# Allegro board 6089-103-RevB_76.brd (continued)
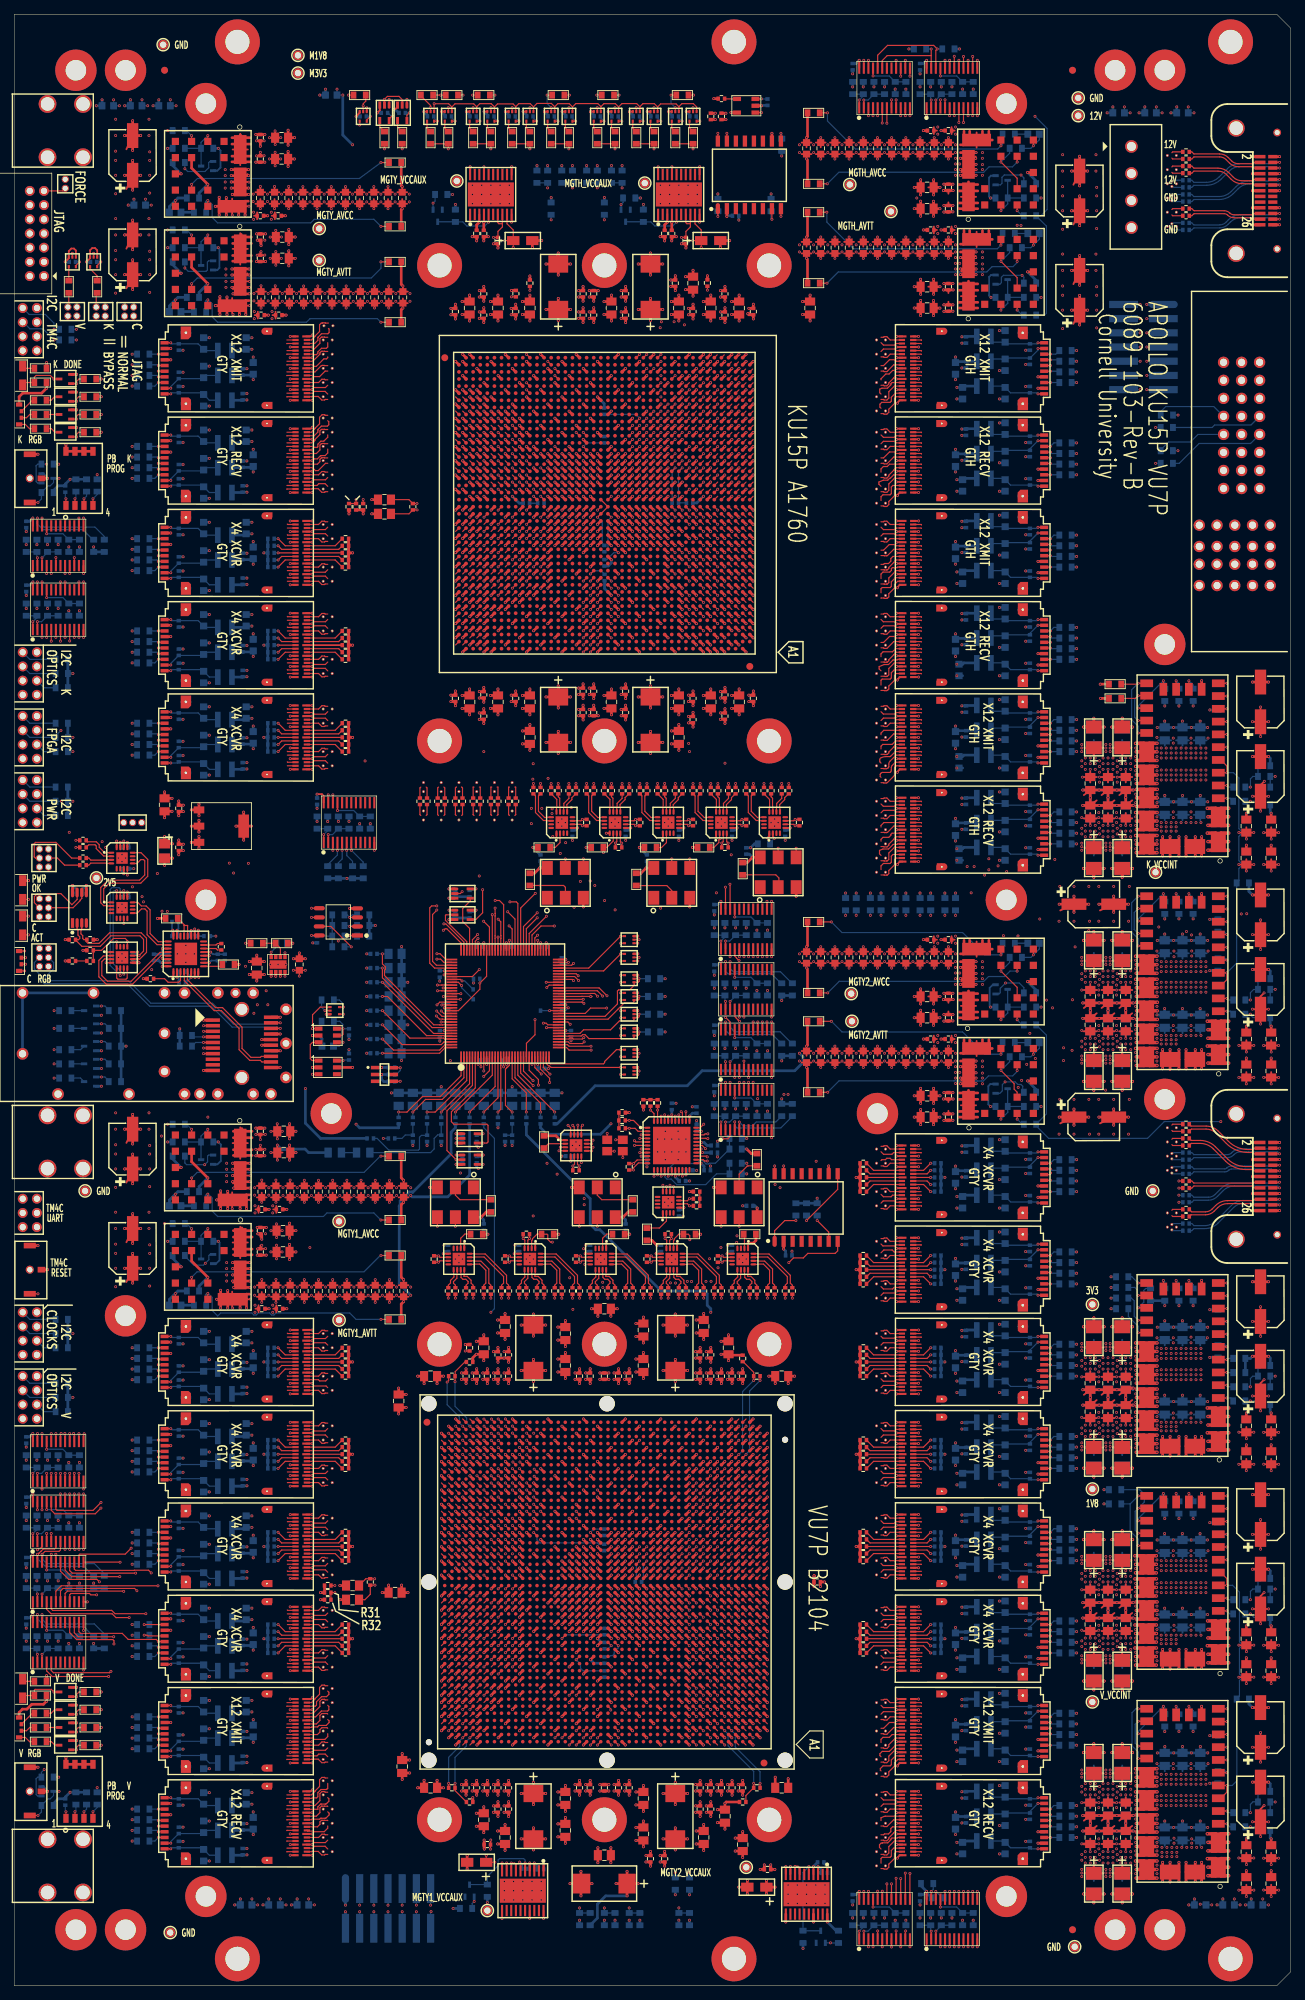
[diagram p0: board, top side]
## Footprints (pads in the part's own frame, mm; a bottom-side part is the same pattern mirrored in y, then rotated) (continued)
BA14(-9.5,-17.501) BA15(-8.509,-17.501) BA16(-7.493,-17.501) BA17(-6.502,-17.501) BA18(-5.512,-17.501) BA19(-4.496,-17.501) BA20(-3.505,-17.501) BA21(-2.489,-17.501) BA22(-1.499,-17.501) BA23(-0.508,-17.501) BA24(0.508,-17.501) BA25(1.499,-17.501) BA26(2.489,-17.501) BA27(3.505,-17.501) BA28(4.496,-17.501) BA29(5.512,-17.501) BA30(6.502,-17.501) BA31(7.493,-17.501) BA32(8.509,-17.501) BA33(9.5,-17.501) BA34(10.49,-17.501) BA35(11.506,-17.501) BA36(12.497,-17.501) BA37(13.487,-17.501) BA38(14.503,-17.501) BA39(15.494,-17.501) BA40(16.51,-17.501) BA41(17.501,-17.501) BA42(18.491,-17.501) BA43(19.507,-17.501) BA44(20.498,-17.501) BA45(21.488,-17.501) BA46(22.504,-17.501) BB1(-22.504,-18.491) BB2(-21.488,-18.491) BB3(-20.498,-18.491) BB4(-19.507,-18.491) BB5(-18.491,-18.491) BB6(-17.501,-18.491) BB7(-16.51,-18.491) BB8(-15.494,-18.491) BB9(-14.503,-18.491) BB10(-13.487,-18.491) BB11(-12.497,-18.491) BB12(-11.506,-18.491) BB13(-10.49,-18.491) BB14(-9.5,-18.491) BB15(-8.509,-18.491) BB16(-7.493,-18.491) BB17(-6.502,-18.491) BB18(-5.512,-18.491) BB19(-4.496,-18.491) BB20(-3.505,-18.491) BB21(-2.489,-18.491) BB22(-1.499,-18.491) BB23(-0.508,-18.491) BB24(0.508,-18.491) BB25(1.499,-18.491) BB26(2.489,-18.491) BB27(3.505,-18.491) BB28(4.496,-18.491) BB29(5.512,-18.491) BB30(6.502,-18.491) BB31(7.493,-18.491) BB32(8.509,-18.491) BB33(9.5,-18.491) BB34(10.49,-18.491) BB35(11.506,-18.491) BB36(12.497,-18.491) BB37(13.487,-18.491) BB38(14.503,-18.491) BB39(15.494,-18.491) BB40(16.51,-18.491) BB41(17.501,-18.491) BB42(18.491,-18.491) BB43(19.507,-18.491) BB44(20.498,-18.491) BB45(21.488,-18.491) BB46(22.504,-18.491) BC1(-22.504,-19.507) BC2(-21.488,-19.507) BC3(-20.498,-19.507) BC4(-19.507,-19.507) BC5(-18.491,-19.507) BC6(-17.501,-19.507) BC7(-16.51,-19.507) BC8(-15.494,-19.507) BC9(-14.503,-19.507) BC10(-13.487,-19.507) BC11(-12.497,-19.507) BC12(-11.506,-19.507) BC13(-10.49,-19.507) BC14(-9.5,-19.507) BC15(-8.509,-19.507) BC16(-7.493,-19.507) BC17(-6.502,-19.507) BC18(-5.512,-19.507) BC19(-4.496,-19.507) BC20(-3.505,-19.507) BC21(-2.489,-19.507) BC22(-1.499,-19.507) BC23(-0.508,-19.507) BC24(0.508,-19.507) BC25(1.499,-19.507) BC26(2.489,-19.507) BC27(3.505,-19.507) BC28(4.496,-19.507) BC29(5.512,-19.507) BC30(6.502,-19.507) BC31(7.493,-19.507) BC32(8.509,-19.507) BC33(9.5,-19.507) BC34(10.49,-19.507) BC35(11.506,-19.507) BC36(12.497,-19.507) BC37(13.487,-19.507) BC38(14.503,-19.507) BC39(15.494,-19.507) BC40(16.51,-19.507) BC41(17.501,-19.507) BC42(18.491,-19.507) BC43(19.507,-19.507) BC44(20.498,-19.507) BC45(21.488,-19.507) BC46(22.504,-19.507) BD1(-22.504,-20.498) BD2(-21.488,-20.498) BD3(-20.498,-20.498) BD4(-19.507,-20.498) BD5(-18.491,-20.498) BD6(-17.501,-20.498) BD7(-16.51,-20.498) BD8(-15.494,-20.498) BD9(-14.503,-20.498) BD10(-13.487,-20.498) BD11(-12.497,-20.498) BD12(-11.506,-20.498) BD13(-10.49,-20.498) BD14(-9.5,-20.498) BD15(-8.509,-20.498) BD16(-7.493,-20.498) BD17(-6.502,-20.498) BD18(-5.512,-20.498) BD19(-4.496,-20.498) BD20(-3.505,-20.498) BD21(-2.489,-20.498) BD22(-1.499,-20.498) BD23(-0.508,-20.498) BD24(0.508,-20.498) BD25(1.499,-20.498) BD26(2.489,-20.498) BD27(3.505,-20.498) BD28(4.496,-20.498) BD29(5.512,-20.498) BD30(6.502,-20.498) BD31(7.493,-20.498) BD32(8.509,-20.498) BD33(9.5,-20.498) BD34(10.49,-20.498) BD35(11.506,-20.498) BD36(12.497,-20.498) BD37(13.487,-20.498) BD38(14.503,-20.498) BD39(15.494,-20.498) BD40(16.51,-20.498) BD41(17.501,-20.498) BD42(18.491,-20.498) BD43(19.507,-20.498) BD44(20.498,-20.498) BD45(21.488,-20.498) BD46(22.504,-20.498) BE2(-21.488,-21.488) BE3(-20.498,-21.488) BE4(-19.507,-21.488) BE5(-18.491,-21.488) BE6(-17.501,-21.488) BE7(-16.51,-21.488) BE8(-15.494,-21.488) BE9(-14.503,-21.488) BE10(-13.487,-21.488) BE11(-12.497,-21.488) BE12(-11.506,-21.488) BE13(-10.49,-21.488) BE14(-9.5,-21.488) BE15(-8.509,-21.488) BE16(-7.493,-21.488) BE17(-6.502,-21.488) BE18(-5.512,-21.488) BE19(-4.496,-21.488) BE20(-3.505,-21.488) BE21(-2.489,-21.488) BE22(-1.499,-21.488) BE23(-0.508,-21.488) BE24(0.508,-21.488) BE25(1.499,-21.488) BE26(2.489,-21.488) BE27(3.505,-21.488) BE28(4.496,-21.488) BE29(5.512,-21.488) BE30(6.502,-21.488) BE31(7.493,-21.488) BE32(8.509,-21.488) BE33(9.5,-21.488) BE34(10.49,-21.488) BE35(11.506,-21.488) BE36(12.497,-21.488) BE37(13.487,-21.488) BE38(14.503,-21.488) BE39(15.494,-21.488) BE40(16.51,-21.488) BE41(17.501,-21.488) BE42(18.491,-21.488) BE43(19.507,-21.488) BE44(20.498,-21.488) BE45(21.488,-21.488) BF3(-20.498,-22.504) BF4(-19.507,-22.504) BF5(-18.491,-22.504) BF6(-17.501,-22.504) BF7(-16.51,-22.504) BF8(-15.494,-22.504) BF9(-14.503,-22.504) BF10(-13.487,-22.504) BF11(-12.497,-22.504) BF12(-11.506,-22.504) BF13(-10.49,-22.504) BF14(-9.5,-22.504) BF15(-8.509,-22.504) BF16(-7.493,-22.504) BF17(-6.502,-22.504) BF18(-5.512,-22.504) BF19(-4.496,-22.504) BF20(-3.505,-22.504) BF21(-2.489,-22.504) BF22(-1.499,-22.504) BF23(-0.508,-22.504) BF24(0.508,-22.504) BF25(1.499,-22.504) BF26(2.489,-22.504) BF27(3.505,-22.504) BF28(4.496,-22.504) BF29(5.512,-22.504) BF30(6.502,-22.504) BF31(7.493,-22.504) BF32(8.509,-22.504) BF33(9.5,-22.504) BF34(10.49,-22.504) BF35(11.506,-22.504) BF36(12.497,-22.504) BF37(13.487,-22.504) BF38(14.503,-22.504) BF39(15.494,-22.504) BF40(16.51,-22.504) BF41(17.501,-22.504) BF42(18.491,-22.504) BF43(19.507,-22.504) BF44(20.498,-22.504) C1(-22.504,20.498) C2(-21.488,20.498) C3(-20.498,20.498) C4(-19.507,20.498) C5(-18.491,20.498) C6(-17.501,20.498) C7(-16.51,20.498) C8(-15.494,20.498) C9(-14.503,20.498) C10(-13.487,20.498) C11(-12.497,20.498) C12(-11.506,20.498) C13(-10.49,20.498) C14(-9.5,20.498) C15(-8.509,20.498) C16(-7.493,20.498) C17(-6.502,20.498) C18(-5.512,20.498) C19(-4.496,20.498) C20(-3.505,20.498) C21(-2.489,20.498) C22(-1.499,20.498) C23(-0.508,20.498) C24(0.508,20.498) C25(1.499,20.498) C26(2.489,20.498) C27(3.505,20.498) C28(4.496,20.498) C29(5.512,20.498) C30(6.502,20.498) C31(7.493,20.498) C32(8.509,20.498) C33(9.5,20.498) C34(10.49,20.498) C35(11.506,20.498) C36(12.497,20.498) C37(13.487,20.498) C38(14.503,20.498) C39(15.494,20.498) C40(16.51,20.498) C41(17.501,20.498) C42(18.491,20.498) C43(19.507,20.498) C44(20.498,20.498) C45(21.488,20.498) C46(22.504,20.498) D1(-22.504,19.507) D2(-21.488,19.507) D3(-20.498,19.507) D4(-19.507,19.507) D5(-18.491,19.507) D6(-17.501,19.507) D7(-16.51,19.507) D8(-15.494,19.507) D9(-14.503,19.507) D10(-13.487,19.507) D11(-12.497,19.507) D12(-11.506,19.507) D13(-10.49,19.507) D14(-9.5,19.507) D15(-8.509,19.507) D16(-7.493,19.507) D17(-6.502,19.507) D18(-5.512,19.507) D19(-4.496,19.507) D20(-3.505,19.507) D21(-2.489,19.507) D22(-1.499,19.507) D23(-0.508,19.507) D24(0.508,19.507) D25(1.499,19.507) D26(2.489,19.507) D27(3.505,19.507) D28(4.496,19.507) D29(5.512,19.507) D30(6.502,19.507) D31(7.493,19.507) D32(8.509,19.507) D33(9.5,19.507) D34(10.49,19.507) D35(11.506,19.507) D36(12.497,19.507) D37(13.487,19.507) D38(14.503,19.507) D39(15.494,19.507) D40(16.51,19.507) D41(17.501,19.507) D42(18.491,19.507) D43(19.507,19.507) D44(20.498,19.507) D45(21.488,19.507) D46(22.504,19.507) E1(-22.504,18.491) E2(-21.488,18.491) E3(-20.498,18.491) E4(-19.507,18.491) E5(-18.491,18.491) E6(-17.501,18.491) E7(-16.51,18.491) E8(-15.494,18.491) E9(-14.503,18.491) E10(-13.487,18.491) E11(-12.497,18.491) E12(-11.506,18.491) E13(-10.49,18.491) E14(-9.5,18.491) E15(-8.509,18.491) E16(-7.493,18.491) E17(-6.502,18.491) E18(-5.512,18.491) E19(-4.496,18.491) E20(-3.505,18.491) E21(-2.489,18.491) E22(-1.499,18.491) E23(-0.508,18.491) E24(0.508,18.491) E25(1.499,18.491) E26(2.489,18.491) E27(3.505,18.491) E28(4.496,18.491) E29(5.512,18.491) E30(6.502,18.491) E31(7.493,18.491) E32(8.509,18.491) E33(9.5,18.491) E34(10.49,18.491) E35(11.506,18.491) E36(12.497,18.491) E37(13.487,18.491) E38(14.503,18.491) E39(15.494,18.491) E40(16.51,18.491) E41(17.501,18.491) E42(18.491,18.491) E43(19.507,18.491) E44(20.498,18.491) E45(21.488,18.491) E46(22.504,18.491) F1(-22.504,17.501) F2(-21.488,17.501) F3(-20.498,17.501) F4(-19.507,17.501) F5(-18.491,17.501) F6(-17.501,17.501) F7(-16.51,17.501) F8(-15.494,17.501) F9(-14.503,17.501) F10(-13.487,17.501) F11(-12.497,17.501) F12(-11.506,17.501) F13(-10.49,17.501) F14(-9.5,17.501) F15(-8.509,17.501) F16(-7.493,17.501) F17(-6.502,17.501) F18(-5.512,17.501) F19(-4.496,17.501) F20(-3.505,17.501) F21(-2.489,17.501) F22(-1.499,17.501) F23(-0.508,17.501) F24(0.508,17.501) F25(1.499,17.501) F26(2.489,17.501) F27(3.505,17.501) F28(4.496,17.501) F29(5.512,17.501) F30(6.502,17.501) F31(7.493,17.501) F32(8.509,17.501) F33(9.5,17.501) F34(10.49,17.501) F35(11.506,17.501) F36(12.497,17.501) F37(13.487,17.501) F38(14.503,17.501) F39(15.494,17.501) F40(16.51,17.501) F41(17.501,17.501) F42(18.491,17.501) F43(19.507,17.501) F44(20.498,17.501) F45(21.488,17.501) F46(22.504,17.501) G1(-22.504,16.51) G2(-21.488,16.51) G3(-20.498,16.51) G4(-19.507,16.51) G5(-18.491,16.51) G6(-17.501,16.51) G7(-16.51,16.51) G8(-15.494,16.51) G9(-14.503,16.51) G10(-13.487,16.51) G11(-12.497,16.51) G12(-11.506,16.51) G13(-10.49,16.51) G14(-9.5,16.51) G15(-8.509,16.51) G16(-7.493,16.51) G17(-6.502,16.51) G18(-5.512,16.51) G19(-4.496,16.51) G20(-3.505,16.51) G21(-2.489,16.51) G22(-1.499,16.51) G23(-0.508,16.51) G24(0.508,16.51) G25(1.499,16.51) G26(2.489,16.51) G27(3.505,16.51) G28(4.496,16.51) G29(5.512,16.51) G30(6.502,16.51) G31(7.493,16.51) G32(8.509,16.51) G33(9.5,16.51) G34(10.49,16.51) G35(11.506,16.51) G36(12.497,16.51) G37(13.487,16.51) G38(14.503,16.51) G39(15.494,16.51) G40(16.51,16.51) G41(17.501,16.51) G42(18.491,16.51) G43(19.507,16.51) G44(20.498,16.51) G45(21.488,16.51) G46(22.504,16.51) H1(-22.504,15.494) H2(-21.488,15.494) H3(-20.498,15.494) H4(-19.507,15.494) H5(-18.491,15.494) H6(-17.501,15.494) H7(-16.51,15.494) H8(-15.494,15.494) H9(-14.503,15.494) H10(-13.487,15.494) H11(-12.497,15.494) H12(-11.506,15.494) H13(-10.49,15.494) H14(-9.5,15.494) H15(-8.509,15.494) H16(-7.493,15.494) H17(-6.502,15.494) H18(-5.512,15.494) H19(-4.496,15.494) H20(-3.505,15.494) H21(-2.489,15.494) H22(-1.499,15.494) H23(-0.508,15.494) H24(0.508,15.494) H25(1.499,15.494) H26(2.489,15.494) H27(3.505,15.494) H28(4.496,15.494) H29(5.512,15.494) H30(6.502,15.494) H31(7.493,15.494) H32(8.509,15.494) H33(9.5,15.494) H34(10.49,15.494) H35(11.506,15.494) H36(12.497,15.494) H37(13.487,15.494) H38(14.503,15.494) H39(15.494,15.494) H40(16.51,15.494) H41(17.501,15.494) H42(18.491,15.494) H43(19.507,15.494) H44(20.498,15.494) H45(21.488,15.494) H46(22.504,15.494) J1(-22.504,14.503) J2(-21.488,14.503) J3(-20.498,14.503) J4(-19.507,14.503) J5(-18.491,14.503) J6(-17.501,14.503) J7(-16.51,14.503) J8(-15.494,14.503) J9(-14.503,14.503) J10(-13.487,14.503) J11(-12.497,14.503) J12(-11.506,14.503) J13(-10.49,14.503) J14(-9.5,14.503) J15(-8.509,14.503) J16(-7.493,14.503) J17(-6.502,14.503) J18(-5.512,14.503) J19(-4.496,14.503) J20(-3.505,14.503) J21(-2.489,14.503) J22(-1.499,14.503) J23(-0.508,14.503) J24(0.508,14.503) J25(1.499,14.503) J26(2.489,14.503) J27(3.505,14.503) J28(4.496,14.503) J29(5.512,14.503) J30(6.502,14.503) J31(7.493,14.503) J32(8.509,14.503) J33(9.5,14.503) J34(10.49,14.503) J35(11.506,14.503) J36(12.497,14.503) J37(13.487,14.503) J38(14.503,14.503) J39(15.494,14.503) J40(16.51,14.503) J41(17.501,14.503) J42(18.491,14.503) J43(19.507,14.503) J44(20.498,14.503) J45(21.488,14.503) J46(22.504,14.503) K1(-22.504,13.487) K2(-21.488,13.487) K3(-20.498,13.487) K4(-19.507,13.487) K5(-18.491,13.487) K6(-17.501,13.487) K7(-16.51,13.487) K8(-15.494,13.487) K9(-14.503,13.487) K10(-13.487,13.487) K11(-12.497,13.487) K12(-11.506,13.487) K13(-10.49,13.487) K14(-9.5,13.487) K15(-8.509,13.487) K16(-7.493,13.487) K17(-6.502,13.487) K18(-5.512,13.487) K19(-4.496,13.487) K20(-3.505,13.487) K21(-2.489,13.487) K22(-1.499,13.487) K23(-0.508,13.487) K24(0.508,13.487) K25(1.499,13.487) K26(2.489,13.487) K27(3.505,13.487) K28(4.496,13.487) K29(5.512,13.487) K30(6.502,13.487) K31(7.493,13.487) K32(8.509,13.487) K33(9.5,13.487) K34(10.49,13.487) K35(11.506,13.487) K36(12.497,13.487) K37(13.487,13.487) K38(14.503,13.487) K39(15.494,13.487) K40(16.51,13.487) K41(17.501,13.487) K42(18.491,13.487) K43(19.507,13.487) K44(20.498,13.487) K45(21.488,13.487) K46(22.504,13.487) L1(-22.504,12.497) L2(-21.488,12.497) L3(-20.498,12.497) L4(-19.507,12.497) L5(-18.491,12.497) L6(-17.501,12.497) L7(-16.51,12.497) L8(-15.494,12.497) L9(-14.503,12.497) L10(-13.487,12.497) L11(-12.497,12.497) L12(-11.506,12.497) L13(-10.49,12.497) L14(-9.5,12.497) L15(-8.509,12.497) L16(-7.493,12.497) L17(-6.502,12.497) L18(-5.512,12.497) L19(-4.496,12.497) L20(-3.505,12.497) L21(-2.489,12.497) L22(-1.499,12.497) L23(-0.508,12.497) L24(0.508,12.497) L25(1.499,12.497) L26(2.489,12.497) L27(3.505,12.497) L28(4.496,12.497) L29(5.512,12.497) L30(6.502,12.497) L31(7.493,12.497) L32(8.509,12.497) L33(9.5,12.497) L34(10.49,12.497) L35(11.506,12.497) L36(12.497,12.497) L37(13.487,12.497) L38(14.503,12.497) L39(15.494,12.497) L40(16.51,12.497) L41(17.501,12.497) L42(18.491,12.497) L43(19.507,12.497) L44(20.498,12.497) L45(21.488,12.497) L46(22.504,12.497) M1(-22.504,11.506) M2(-21.488,11.506) M3(-20.498,11.506) M4(-19.507,11.506) M5(-18.491,11.506) M6(-17.501,11.506) M7(-16.51,11.506) M8(-15.494,11.506) M9(-14.503,11.506) M10(-13.487,11.506) M11(-12.497,11.506) M12(-11.506,11.506) M13(-10.49,11.506) M14(-9.5,11.506) M15(-8.509,11.506) M16(-7.493,11.506) M17(-6.502,11.506) M18(-5.512,11.506) M19(-4.496,11.506) M20(-3.505,11.506) M21(-2.489,11.506) M22(-1.499,11.506) M23(-0.508,11.506) M24(0.508,11.506) M25(1.499,11.506) M26(2.489,11.506) M27(3.505,11.506) M28(4.496,11.506) M29(5.512,11.506) M30(6.502,11.506) M31(7.493,11.506) M32(8.509,11.506) M33(9.5,11.506) M34(10.49,11.506) M35(11.506,11.506) M36(12.497,11.506) M37(13.487,11.506) M38(14.503,11.506) M39(15.494,11.506) M40(16.51,11.506) M41(17.501,11.506) M42(18.491,11.506) M43(19.507,11.506) M44(20.498,11.506) M45(21.488,11.506) M46(22.504,11.506) N1(-22.504,10.49) N2(-21.488,10.49) N3(-20.498,10.49) N4(-19.507,10.49) N5(-18.491,10.49) N6(-17.501,10.49) N7(-16.51,10.49) N8(-15.494,10.49) N9(-14.503,10.49) N10(-13.487,10.49) N11(-12.497,10.49) N12(-11.506,10.49) N13(-10.49,10.49) N14(-9.5,10.49) N15(-8.509,10.49) N16(-7.493,10.49) N17(-6.502,10.49) N18(-5.512,10.49) N19(-4.496,10.49) N20(-3.505,10.49) N21(-2.489,10.49) N22(-1.499,10.49) N23(-0.508,10.49) N24(0.508,10.49) N25(1.499,10.49) N26(2.489,10.49) N27(3.505,10.49) N28(4.496,10.49) N29(5.512,10.49) N30(6.502,10.49) N31(7.493,10.49) N32(8.509,10.49) N33(9.5,10.49) N34(10.49,10.49) N35(11.506,10.49) N36(12.497,10.49) N37(13.487,10.49) N38(14.503,10.49) N39(15.494,10.49) N40(16.51,10.49) N41(17.501,10.49) N42(18.491,10.49) N43(19.507,10.49) N44(20.498,10.49) N45(21.488,10.49) N46(22.504,10.49) P1(-22.504,9.5) P2(-21.488,9.5) P3(-20.498,9.5) P4(-19.507,9.5) P5(-18.491,9.5) P6(-17.501,9.5) P7(-16.51,9.5) P8(-15.494,9.5) P9(-14.503,9.5) P10(-13.487,9.5) P11(-12.497,9.5) P12(-11.506,9.5) P13(-10.49,9.5) P14(-9.5,9.5) P15(-8.509,9.5) P16(-7.493,9.5) P17(-6.502,9.5) P18(-5.512,9.5) P19(-4.496,9.5) P20(-3.505,9.5) P21(-2.489,9.5) P22(-1.499,9.5) P23(-0.508,9.5) P24(0.508,9.5) P25(1.499,9.5) P26(2.489,9.5) P27(3.505,9.5) P28(4.496,9.5) P29(5.512,9.5) P30(6.502,9.5) P31(7.493,9.5) P32(8.509,9.5) P33(9.5,9.5) P34(10.49,9.5) P35(11.506,9.5) P36(12.497,9.5) P37(13.487,9.5) P38(14.503,9.5) P39(15.494,9.5) P40(16.51,9.5) P41(17.501,9.5) P42(18.491,9.5) P43(19.507,9.5) P44(20.498,9.5) P45(21.488,9.5) P46(22.504,9.5) R1(-22.504,8.509) R2(-21.488,8.509) R3(-20.498,8.509) R4(-19.507,8.509) R5(-18.491,8.509) R6(-17.501,8.509) R7(-16.51,8.509) R8(-15.494,8.509) R9(-14.503,8.509) R10(-13.487,8.509) R11(-12.497,8.509) R12(-11.506,8.509) R13(-10.49,8.509) R14(-9.5,8.509) R15(-8.509,8.509) R16(-7.493,8.509) R17(-6.502,8.509) R18(-5.512,8.509) R19(-4.496,8.509) R20(-3.505,8.509) R21(-2.489,8.509) R22(-1.499,8.509) R23(-0.508,8.509) R24(0.508,8.509) R25(1.499,8.509) R26(2.489,8.509) R27(3.505,8.509) R28(4.496,8.509) R29(5.512,8.509) R30(6.502,8.509) R31(7.493,8.509) R32(8.509,8.509) R33(9.5,8.509) R34(10.49,8.509) R35(11.506,8.509) R36(12.497,8.509) R37(13.487,8.509) R38(14.503,8.509) R39(15.494,8.509) R40(16.51,8.509) R41(17.501,8.509) R42(18.491,8.509) R43(19.507,8.509) R44(20.498,8.509) R45(21.488,8.509) R46(22.504,8.509) T1(-22.504,7.493) T2(-21.488,7.493) T3(-20.498,7.493) T4(-19.507,7.493) T5(-18.491,7.493) T6(-17.501,7.493) T7(-16.51,7.493) T8(-15.494,7.493) T9(-14.503,7.493) T10(-13.487,7.493) T11(-12.497,7.493) T12(-11.506,7.493) T13(-10.49,7.493) T14(-9.5,7.493) T15(-8.509,7.493) T16(-7.493,7.493) T17(-6.502,7.493) T18(-5.512,7.493) T19(-4.496,7.493) T20(-3.505,7.493) T21(-2.489,7.493) T22(-1.499,7.493) T23(-0.508,7.493) T24(0.508,7.493) T25(1.499,7.493) T26(2.489,7.493) T27(3.505,7.493) T28(4.496,7.493) T29(5.512,7.493) T30(6.502,7.493) T31(7.493,7.493) T32(8.509,7.493) T33(9.5,7.493) T34(10.49,7.493) T35(11.506,7.493) T36(12.497,7.493) T37(13.487,7.493) T38(14.503,7.493) T39(15.494,7.493) T40(16.51,7.493) T41(17.501,7.493) T42(18.491,7.493) T43(19.507,7.493) T44(20.498,7.493) T45(21.488,7.493) T46(22.504,7.493) U1(-22.504,6.502) U2(-21.488,6.502) U3(-20.498,6.502) U4(-19.507,6.502) U5(-18.491,6.502) U6(-17.501,6.502) U7(-16.51,6.502) U8(-15.494,6.502) U9(-14.503,6.502) U10(-13.487,6.502) U11(-12.497,6.502) U12(-11.506,6.502) U13(-10.49,6.502) U14(-9.5,6.502) U15(-8.509,6.502) U16(-7.493,6.502) U17(-6.502,6.502) U18(-5.512,6.502) U19(-4.496,6.502) U20(-3.505,6.502) U21(-2.489,6.502) U22(-1.499,6.502) U23(-0.508,6.502) U24(0.508,6.502) U25(1.499,6.502) U26(2.489,6.502) U27(3.505,6.502) U28(4.496,6.502) U29(5.512,6.502) U30(6.502,6.502) U31(7.493,6.502) U32(8.509,6.502) U33(9.5,6.502) U34(10.49,6.502) U35(11.506,6.502) U36(12.497,6.502) U37(13.487,6.502) U38(14.503,6.502) U39(15.494,6.502) U40(16.51,6.502) U41(17.501,6.502) U42(18.491,6.502) U43(19.507,6.502) U44(20.498,6.502) U45(21.488,6.502) U46(22.504,6.502) V1(-22.504,5.512) V2(-21.488,5.512) V3(-20.498,5.512) V4(-19.507,5.512) V5(-18.491,5.512) V6(-17.501,5.512) V7(-16.51,5.512) V8(-15.494,5.512) V9(-14.503,5.512) V10(-13.487,5.512) V11(-12.497,5.512) V12(-11.506,5.512) V13(-10.49,5.512) V14(-9.5,5.512) V15(-8.509,5.512) V16(-7.493,5.512) V17(-6.502,5.512) V18(-5.512,5.512) V19(-4.496,5.512) V20(-3.505,5.512) V21(-2.489,5.512) V22(-1.499,5.512) V23(-0.508,5.512) V24(0.508,5.512) V25(1.499,5.512) V26(2.489,5.512) V27(3.505,5.512) V28(4.496,5.512) V29(5.512,5.512) V30(6.502,5.512) V31(7.493,5.512) V32(8.509,5.512) V33(9.5,5.512) V34(10.49,5.512) V35(11.506,5.512) V36(12.497,5.512) V37(13.487,5.512) V38(14.503,5.512) V39(15.494,5.512) V40(16.51,5.512) V41(17.501,5.512) V42(18.491,5.512) V43(19.507,5.512) V44(20.498,5.512) V45(21.488,5.512) V46(22.504,5.512) W1(-22.504,4.496) W2(-21.488,4.496) W3(-20.498,4.496) W4(-19.507,4.496) W5(-18.491,4.496) W6(-17.501,4.496) W7(-16.51,4.496) W8(-15.494,4.496) W9(-14.503,4.496) W10(-13.487,4.496) W11(-12.497,4.496) W12(-11.506,4.496) W13(-10.49,4.496) W14(-9.5,4.496) W15(-8.509,4.496) W16(-7.493,4.496) W17(-6.502,4.496) W18(-5.512,4.496) W19(-4.496,4.496) W20(-3.505,4.496) W21(-2.489,4.496) W22(-1.499,4.496) W23(-0.508,4.496) W24(0.508,4.496) W25(1.499,4.496) W26(2.489,4.496) W27(3.505,4.496) W28(4.496,4.496) W29(5.512,4.496) W30(6.502,4.496) W31(7.493,4.496) W32(8.509,4.496) W33(9.5,4.496) W34(10.49,4.496) W35(11.506,4.496) W36(12.497,4.496) W37(13.487,4.496) W38(14.503,4.496) W39(15.494,4.496) W40(16.51,4.496) W41(17.501,4.496) W42(18.491,4.496) W43(19.507,4.496) W44(20.498,4.496) W45(21.488,4.496) W46(22.504,4.496) Y1(-22.504,3.505) Y2(-21.488,3.505) Y3(-20.498,3.505) Y4(-19.507,3.505) Y5(-18.491,3.505) Y6(-17.501,3.505) Y7(-16.51,3.505) Y8(-15.494,3.505) Y9(-14.503,3.505) Y10(-13.487,3.505) Y11(-12.497,3.505) Y12(-11.506,3.505) Y13(-10.49,3.505) Y14(-9.5,3.505) Y15(-8.509,3.505) Y16(-7.493,3.505) Y17(-6.502,3.505) Y18(-5.512,3.505) Y19(-4.496,3.505) Y20(-3.505,3.505) Y21(-2.489,3.505) Y22(-1.499,3.505) Y23(-0.508,3.505) Y24(0.508,3.505) Y25(1.499,3.505) Y26(2.489,3.505) Y27(3.505,3.505) Y28(4.496,3.505) Y29(5.512,3.505) Y30(6.502,3.505) Y31(7.493,3.505) Y32(8.509,3.505) Y33(9.5,3.505) Y34(10.49,3.505) Y35(11.506,3.505) Y36(12.497,3.505) Y37(13.487,3.505) Y38(14.503,3.505) Y39(15.494,3.505) Y40(16.51,3.505) Y41(17.501,3.505) Y42(18.491,3.505) Y43(19.507,3.505) Y44(20.498,3.505) Y45(21.488,3.505) Y46(22.504,3.505)
HEADER_2MM_2X3_RA
  round 1.397 hole 0.889: 1(-1,2) 2(1,2) 3(-1,0) 4(1,0) 5(-1,-2) 6(1,-2)
HEADER_2MM_2X4_RA
  round 1.397 hole 0.889: 1(-1,3) 2(1,3) 3(-1,1) 4(1,1) 5(-1,-1) 6(1,-1) 7(-1,-3) 8(1,-3)
HOLE_M2P5_STANDOFF
  round 5.842 hole 2.896: 1(0,0)
IND072
  rect 4.064x1.778 smd: 1(2.667,10.668) 2(7.239,10.668)
  rect 1.778x4.064 smd: 3(10.668,9.525)
  rect 1.016x1.016 smd: 4(1.524,8.382) 5(3.81,8.382) 6(1.524,6.096) 7(8.382,6.096) 8(10.668,6.096) 9(1.524,3.81) 10(3.81,3.81) 11(8.382,3.81) 12(10.668,3.81) 13(1.524,1.524) 14(3.81,1.524) 15(6.096,1.524) 16(8.382,1.524) 17(10.668,1.524)
IND_1008
  rect 2.21x0.787 smd: 1(0,-1) 2(0,1)
IND_EIA0805
  rect 1.143x1.448 smd: 1(-0.914,0) 2(0.914,0)
JUMPER_1X2_50MIL
  round 1.016 hole 0.711: 1(0,0.635) 2(0,-0.635)
JUMPER_1X3_50MIL
  round 1.016 hole 0.711: 1(0,1.27) 2(0,0) 3(0,-1.27)
JUMPER_2X2_50MIL
  round 1.016 hole 0.711: 1(-0.635,0.635) 2(-0.635,-0.635) 3(0.635,0.635) 4(0.635,-0.635)
JUMPER_2X3_50MIL
  round 1.016 hole 0.711: 1(-0.635,1.27) 2(-0.635,0) 3(-0.635,-1.27) 4(0.635,1.27) 5(0.635,0) 6(0.635,-1.27)
KEYSTONE_7761
  round 2.515 hole 1.905: 1(-3.75,5) 2(-3.75,0) 3(3.75,0) 4(3.75,5)
LED_APA2106
  rect 1.524x1.016 smd: 1(-1.321,0) 2(1.321,0)
LED_RGB_INS126T
  rect 0.6x0.55 smd: 1(-0.46,0.325) 2(0.46,0.325)
  rect 0.6x0.9 smd: 3(-1.4,0) 4(1.4,0)
LFCSP_5MM_32
  rrect 1x0.3 smd: 1(-2.5,1.75) 2(-2.5,1.25) 3(-2.5,0.75) 4(-2.5,0.25) 5(-2.5,-0.25) 6(-2.5,-0.75) 7(-2.5,-1.25) 8(-2.5,-1.75) 17(2.5,-1.75) 18(2.5,-1.25) 19(2.5,-0.75) 20(2.5,-0.25) 21(2.5,0.25) 22(2.5,0.75) 23(2.5,1.25) 24(2.5,1.75)
  rrect 0.3x1 smd: 9(-1.75,-2.5) 10(-1.25,-2.5) 11(-0.75,-2.5) 12(-0.25,-2.5) 13(0.25,-2.5) 14(0.75,-2.5) 15(1.25,-2.5) 16(1.75,-2.5) 25(1.75,2.5) 26(1.25,2.5) 27(0.75,2.5) 28(0.25,2.5) 29(-0.25,2.5) 30(-0.75,2.5) 31(-1.25,2.5) 32(-1.75,2.5)
  rect 3.175x3.175 smd: 33(0,0)
LGA80D
  rect 2.896x2.108 smd: 1(-10.725,-5.05) 2(-7.225,-5.05) 22(1.975,5.05) 23(-1.275,5.05) 24(-4.525,5.05) 25(-7.775,5.05) 26(-11.025,5.05)
  rect 1.092x1.803 smd: 3(-4.575,-5.05) 4(-2.775,-5.05) 5(-0.975,-5.05) 6(0.825,-5.05) 7(2.625,-5.05) 8(4.425,-5.05) 9(6.225,-5.05) 10(8.025,-5.05) 11(9.825,-5.05) 12(11.625,-5.05) 17(11.625,5.05) 18(9.875,5.05) 19(8.125,5.05) 20(6.375,5.05) 21(4.625,5.05)
  rect 1.803x1.092 smd: 13(10.775,-2.7) 14(10.775,-0.9) 15(10.775,0.9) 16(10.775,2.7)
  rect 2.108x2.896 smd: 27(-11.375,1.75) 28(-11.375,-1.75)
LQFP128
  rect 1.524x0.254 smd: 1(-7.5,6.2) 2(-7.5,5.8) 3(-7.5,5.4) 4(-7.5,5) 5(-7.5,4.6) 6(-7.5,4.2) 7(-7.5,3.8) 8(-7.5,3.4) 9(-7.5,3) 10(-7.5,2.6) 11(-7.5,2.2) 12(-7.5,1.8) 13(-7.5,1.4) 14(-7.5,1) 15(-7.5,0.6) 16(-7.5,0.2) 17(-7.5,-0.2) 18(-7.5,-0.6) 19(-7.5,-1) 20(-7.5,-1.4) 21(-7.5,-1.8) 22(-7.5,-2.2) 23(-7.5,-2.6) 24(-7.5,-3) 25(-7.5,-3.4) 26(-7.5,-3.8) 27(-7.5,-4.2) 28(-7.5,-4.6) 29(-7.5,-5) 30(-7.5,-5.4) 31(-7.5,-5.8) 32(-7.5,-6.2) 65(7.5,-6.2) 66(7.5,-5.8) 67(7.5,-5.4) 68(7.5,-5) 69(7.5,-4.6) 70(7.5,-4.2) 71(7.5,-3.8) 72(7.5,-3.4) 73(7.5,-3) 74(7.5,-2.6) 75(7.5,-2.2) 76(7.5,-1.8) 77(7.5,-1.4) 78(7.5,-1) 79(7.5,-0.6) 80(7.5,-0.2) 81(7.5,0.2) 82(7.5,0.6) 83(7.5,1) 84(7.5,1.4) 85(7.5,1.8) 86(7.5,2.2) 87(7.5,2.6) 88(7.5,3) 89(7.5,3.4) 90(7.5,3.8) 91(7.5,4.2) 92(7.5,4.6) 93(7.5,5) 94(7.5,5.4) 95(7.5,5.8) 96(7.5,6.2)
  rect 0.254x1.524 smd: 33(-6.2,-7.5) 34(-5.8,-7.5) 35(-5.4,-7.5) 36(-5,-7.5) 37(-4.6,-7.5) 38(-4.2,-7.5) 39(-3.8,-7.5) 40(-3.4,-7.5) 41(-3,-7.5) 42(-2.6,-7.5) 43(-2.2,-7.5) 44(-1.8,-7.5) 45(-1.4,-7.5) 46(-1,-7.5) 47(-0.6,-7.5) 48(-0.2,-7.5) 49(0.2,-7.5) 50(0.6,-7.5) 51(1,-7.5) 52(1.4,-7.5) 53(1.8,-7.5) 54(2.2,-7.5) 55(2.6,-7.5) 56(3,-7.5) 57(3.4,-7.5) 58(3.8,-7.5) 59(4.2,-7.5) 60(4.6,-7.5) 61(5,-7.5) 62(5.4,-7.5) 63(5.8,-7.5) 64(6.2,-7.5) 97(6.2,7.5) 98(5.8,7.5) 99(5.4,7.5) 100(5,7.5) 101(4.6,7.5) 102(4.2,7.5) 103(3.8,7.5) 104(3.4,7.5) 105(3,7.5) 106(2.6,7.5) 107(2.2,7.5) 108(1.8,7.5) 109(1.4,7.5) 110(1,7.5) 111(0.6,7.5) 112(0.2,7.5) 113(-0.2,7.5) 114(-0.6,7.5) 115(-1,7.5) 116(-1.4,7.5) 117(-1.8,7.5) 118(-2.2,7.5) 119(-2.6,7.5) 120(-3,7.5) 121(-3.4,7.5) 122(-3.8,7.5) 123(-4.2,7.5) 124(-4.6,7.5) 125(-5,7.5) 126(-5.4,7.5) 127(-5.8,7.5) 128(-6.2,7.5)
LT1963A_SOT-223
  rect 1.499x0.991 smd: 1(-3.15,2.286) 2(-3.15,0) 3(-3.15,-2.286)
  rect 1.499x3.277 smd: 4(3.15,0)
MT25QU01_SO16
  oval 1.575x0.61 smd: 1(0,0)
  rect 1.575x0.61 smd: 2(0,-1.27) 3(0,-2.54) 4(0,-3.81) 5(0,-5.08) 6(0,-6.35) 7(0,-7.62) 8(0,-8.89) 9(9.525,-8.89) 10(9.525,-7.62) 11(9.525,-6.35) 12(9.525,-5.08) 13(9.525,-3.81) 14(9.525,-2.54) 15(9.525,-1.27) 16(9.525,0)
OSC_SI510
  rect 1.956x1.549 smd: 1(-2.1,2.54) 2(-2.1,0) 3(-2.1,-2.54) 4(2.1,-2.54) 5(2.1,0) 6(2.1,2.54)
OSC_SI530
  rect 1.956x1.549 smd: 1(-2.1,2.54) 2(-2.1,0) 3(-2.1,-2.54) 4(2.1,-2.54) 5(2.1,0) 6(2.1,2.54)
QFN44
  oval 0.813x0.305 smd: 1(-3.425,2.5) 2(-3.425,2) 3(-3.425,1.5) 4(-3.425,1) 5(-3.425,0.5) 6(-3.425,0) 7(-3.425,-0.5) 8(-3.425,-1) 9(-3.425,-1.5) 10(-3.425,-2) 11(-3.425,-2.5) 23(3.425,-2.5) 24(3.425,-2) 25(3.425,-1.5) 26(3.425,-1) 27(3.425,-0.5) 28(3.425,0) 29(3.425,0.5) 30(3.425,1) 31(3.425,1.5) 32(3.425,2) 33(3.425,2.5)
  oval 0.305x0.813 smd: 12(-2.5,-3.425) 13(-2,-3.425) 14(-1.5,-3.425) 15(-1,-3.425) 16(-0.5,-3.425) 17(0,-3.425) 18(0.5,-3.425) 19(1,-3.425) 20(1.5,-3.425) 21(2,-3.425) 22(2.5,-3.425) 34(2.5,3.425) 35(2,3.425) 36(1.5,3.425) 37(1,3.425) 38(0.5,3.425) 39(0,3.425) 40(-0.5,3.425) 41(-1,3.425) 42(-1.5,3.425) 43(-2,3.425) 44(-2.5,3.425)
  rect 5.283x5.283 smd: 45(0,0)
QFN-16_1P55PAD
  oval 0.813x0.305 smd: 1(-1.5,0.75) 2(-1.5,0.25) 3(-1.5,-0.25) 4(-1.5,-0.75) 9(1.5,-0.75) 10(1.5,-0.25) 11(1.5,0.25) 12(1.5,0.75)
  oval 0.305x0.813 smd: 5(-0.75,-1.5) 6(-0.25,-1.5) 7(0.25,-1.5) 8(0.75,-1.5) 13(0.75,1.5) 14(0.25,1.5) 15(-0.25,1.5) 16(-0.75,1.5)
  rect 1.626x1.626 smd: 17(0,0)
QFN-16_1P75PAD
  oval 0.813x0.305 smd: 1(-1.5,0.75) 2(-1.5,0.25) 3(-1.5,-0.25) 4(-1.5,-0.75) 9(1.5,-0.75) 10(1.5,-0.25) 11(1.5,0.25) 12(1.5,0.75)
  oval 0.305x0.813 smd: 5(-0.75,-1.5) 6(-0.25,-1.5) 7(0.25,-1.5) 8(0.75,-1.5) 13(0.75,1.5) 14(0.25,1.5) 15(-0.25,1.5) 16(-0.75,1.5)
  rect 1.778x1.778 smd: 17(0,0)
RESC_EIA0402
  rect 0.508x0.61 smd: 1(-0.45,0) 2(0.45,0)
RESC_EIA0603
  rect 0.813x0.991 smd: 1(-0.864,0) 2(0.864,0)
RESC_EIA0805
  rect 1.041x1.397 smd: 1(-0.94,0) 2(0.94,0)
RUF015N02_FET
  rect 0.889x0.406 smd: 1(-0.85,0.65) 2(-0.85,-0.65) 3(0.85,0)
SC-70-5
  oval 1.016x0.406 smd: 1(-1.092,0.66)
  rect 1.016x0.406 smd: 2(-1.092,0) 3(-1.092,-0.66) 4(1.092,-0.66) 5(1.092,0.66)
SFP_CONN_NATE
  round 2.083 hole 1.549: (0.889,-2.311) (0.889,-11.913)
  rect 2.007x0.508 smd: 1(-3.2,-3.835) 2(-3.2,-4.623) 3(-3.2,-5.41) 4(-3.2,-6.198) 5(-3.2,-6.985) 6(-3.2,-7.772) 7(-3.2,-8.56) 8(-3.2,-9.347) 9(-3.2,-10.135) 10(-3.2,-10.922) 11(5.004,-10.516) 12(5.004,-9.728) 13(5.004,-8.941) 14(5.004,-8.153) 15(5.004,-7.366) 16(5.004,-6.579) 17(5.004,-5.791) 18(5.004,-5.004) 19(5.004,-4.216) 20(5.004,-3.429)
  round 1.448 hole 0.838: 21(0,0)
  round 1.651 hole 0.94: 22(2.489,0) 23(7.112,-2.311) 24(7.112,-7.112) 25(7.112,-11.913) 27(2.489,-14.249) 28(-2.489,-14.249) 30(-7.188,-14.249) 39(-7.188,0) 40(-2.489,0)
  round 1.651 hole 1.041: 26(5.004,-14.249) 29(-5.004,-14.249) 31(-15.011,-14.249) 32(-25.019,-14.249) 33(-30.023,-8.585) 34(-30.023,0) 35(-20.015,0) 36(-10.008,-5.69) 37(-10.008,-11.074) 38(-10.008,0)
SOIC050P240-8
  rect 1.575x0.61 smd: 1(-2.692,1.905)
  oval 1.575x0.61 smd: 2(-2.692,0.635) 3(-2.692,-0.635) 4(-2.692,-1.905) 5(2.692,-1.93) 6(2.692,-0.635) 7(2.692,0.635) 8(2.692,1.905)
SOT5_DRL
  rect 0.457x0.305 smd: 1(-0.675,0.5) 2(-0.675,0) 3(-0.675,-0.5) 4(0.675,-0.5) 5(0.675,0.5)
SOT23-5
  rect 1.118x0.61 smd: 1(-1.295,0.965) 2(-1.295,0) 3(-1.295,-0.965) 4(1.295,-0.965) 5(1.295,0.965)
SOT23-6
  rect 1.118x0.61 smd: 1(-1.295,0.965) 2(-1.295,0) 3(-1.295,-0.965) 4(1.295,-0.965) 5(1.295,0) 6(1.295,0.965)
SPLICE_PLATE_APOLLO
  round 6.35 hole 3.404: 1(0,0) 2(0,-70) 3(0,-140)
SW_DIP_4POS_50MIL
  rect 1.27x0.762 smd: 1(-3.81,1.905) 2(-3.81,0.635) 3(-3.81,-0.635) 4(-3.81,-1.905) 5(3.81,-1.905) 6(3.81,-0.635) 7(3.81,0.635) 8(3.81,1.905)
SWITCH_B3U_3100P_B
  round 1.143 hole 0.762: (0,0)
  rect 0.813x1.702 smd: 1(3.4,0) 2(-3.4,0)
  rect 0.813x1.092 smd: 3(0,-1.65)
TB4
  round 1.778 hole 1.27: 1(0,5.715) 2(0,1.905) 3(0,-1.905) 4(0,-5.715)
TESTPT_C55H35
  round 1.397 hole 0.889: 1(0,0)
TESTPT_SMPAD
  rect 0.508x0.61 smd: 1(0,0)
TPS75218
  rect 1.6x0.305 smd: 1(-2.8,2.925) 2(-2.8,2.275) 3(-2.8,1.625) 4(-2.8,0.975) 5(-2.8,0.325) 6(-2.8,-0.325) 7(-2.8,-0.975) 8(-2.8,-1.625) 9(-2.8,-2.275) 10(-2.8,-2.925) 11(2.8,-2.925) 12(2.8,-2.275) 13(2.8,-1.625) 14(2.8,-0.975) 15(2.8,-0.325) 16(2.8,0.325) 17(2.8,0.975) 18(2.8,1.625) 19(2.8,2.275) 20(2.8,2.925)
  rect 3.404x6.502 smd: 21(0,0)
TPS82130
  rect 0.6x0.5 smd: 1(-1.05,0.975) 2(-1.05,0.325) 3(-1.05,-0.325) 4(-1.05,-0.975) 5(1.05,-0.975) 6(1.05,-0.325) 7(1.05,0.325) 8(1.05,0.975)
  rect 1.2x2.4 smd: 9(0,0)
TSOT23-6
  rect 1.219x0.508 smd: 1(-1.31,0.975) 2(-1.31,0) 3(-1.31,-0.95) 4(1.31,-0.95) 5(1.31,0) 6(1.31,0.95)
TSSOP-8
  rect 1.372x0.457 smd: 1(-2.15,0.975)
  oval 1.372x0.457 smd: 2(-2.15,0.325) 3(-2.15,-0.325) 4(-2.15,-0.975) 5(2.15,-0.975) 6(2.15,-0.325) 7(2.15,0.325) 8(2.15,0.975)
TSSOP-24
  rect 1.6x0.305 smd: 1(-2.8,3.575) 2(-2.8,2.925) 3(-2.8,2.275) 4(-2.8,1.625) 5(-2.8,0.975) 6(-2.8,0.325) 7(-2.8,-0.325) 8(-2.8,-0.975) 9(-2.8,-1.625) 10(-2.8,-2.275) 11(-2.8,-2.925) 12(-2.8,-3.575) 13(2.8,-3.575) 14(2.8,-2.925) 15(2.8,-2.275) 16(2.8,-1.625) 17(2.8,-0.975) 18(2.8,-0.325) 19(2.8,0.325) 20(2.8,0.975) 21(2.8,1.625) 22(2.8,2.275) 23(2.8,2.925) 24(2.8,3.575)
